# Allegro board RUBUS_20173009.brd (continued)
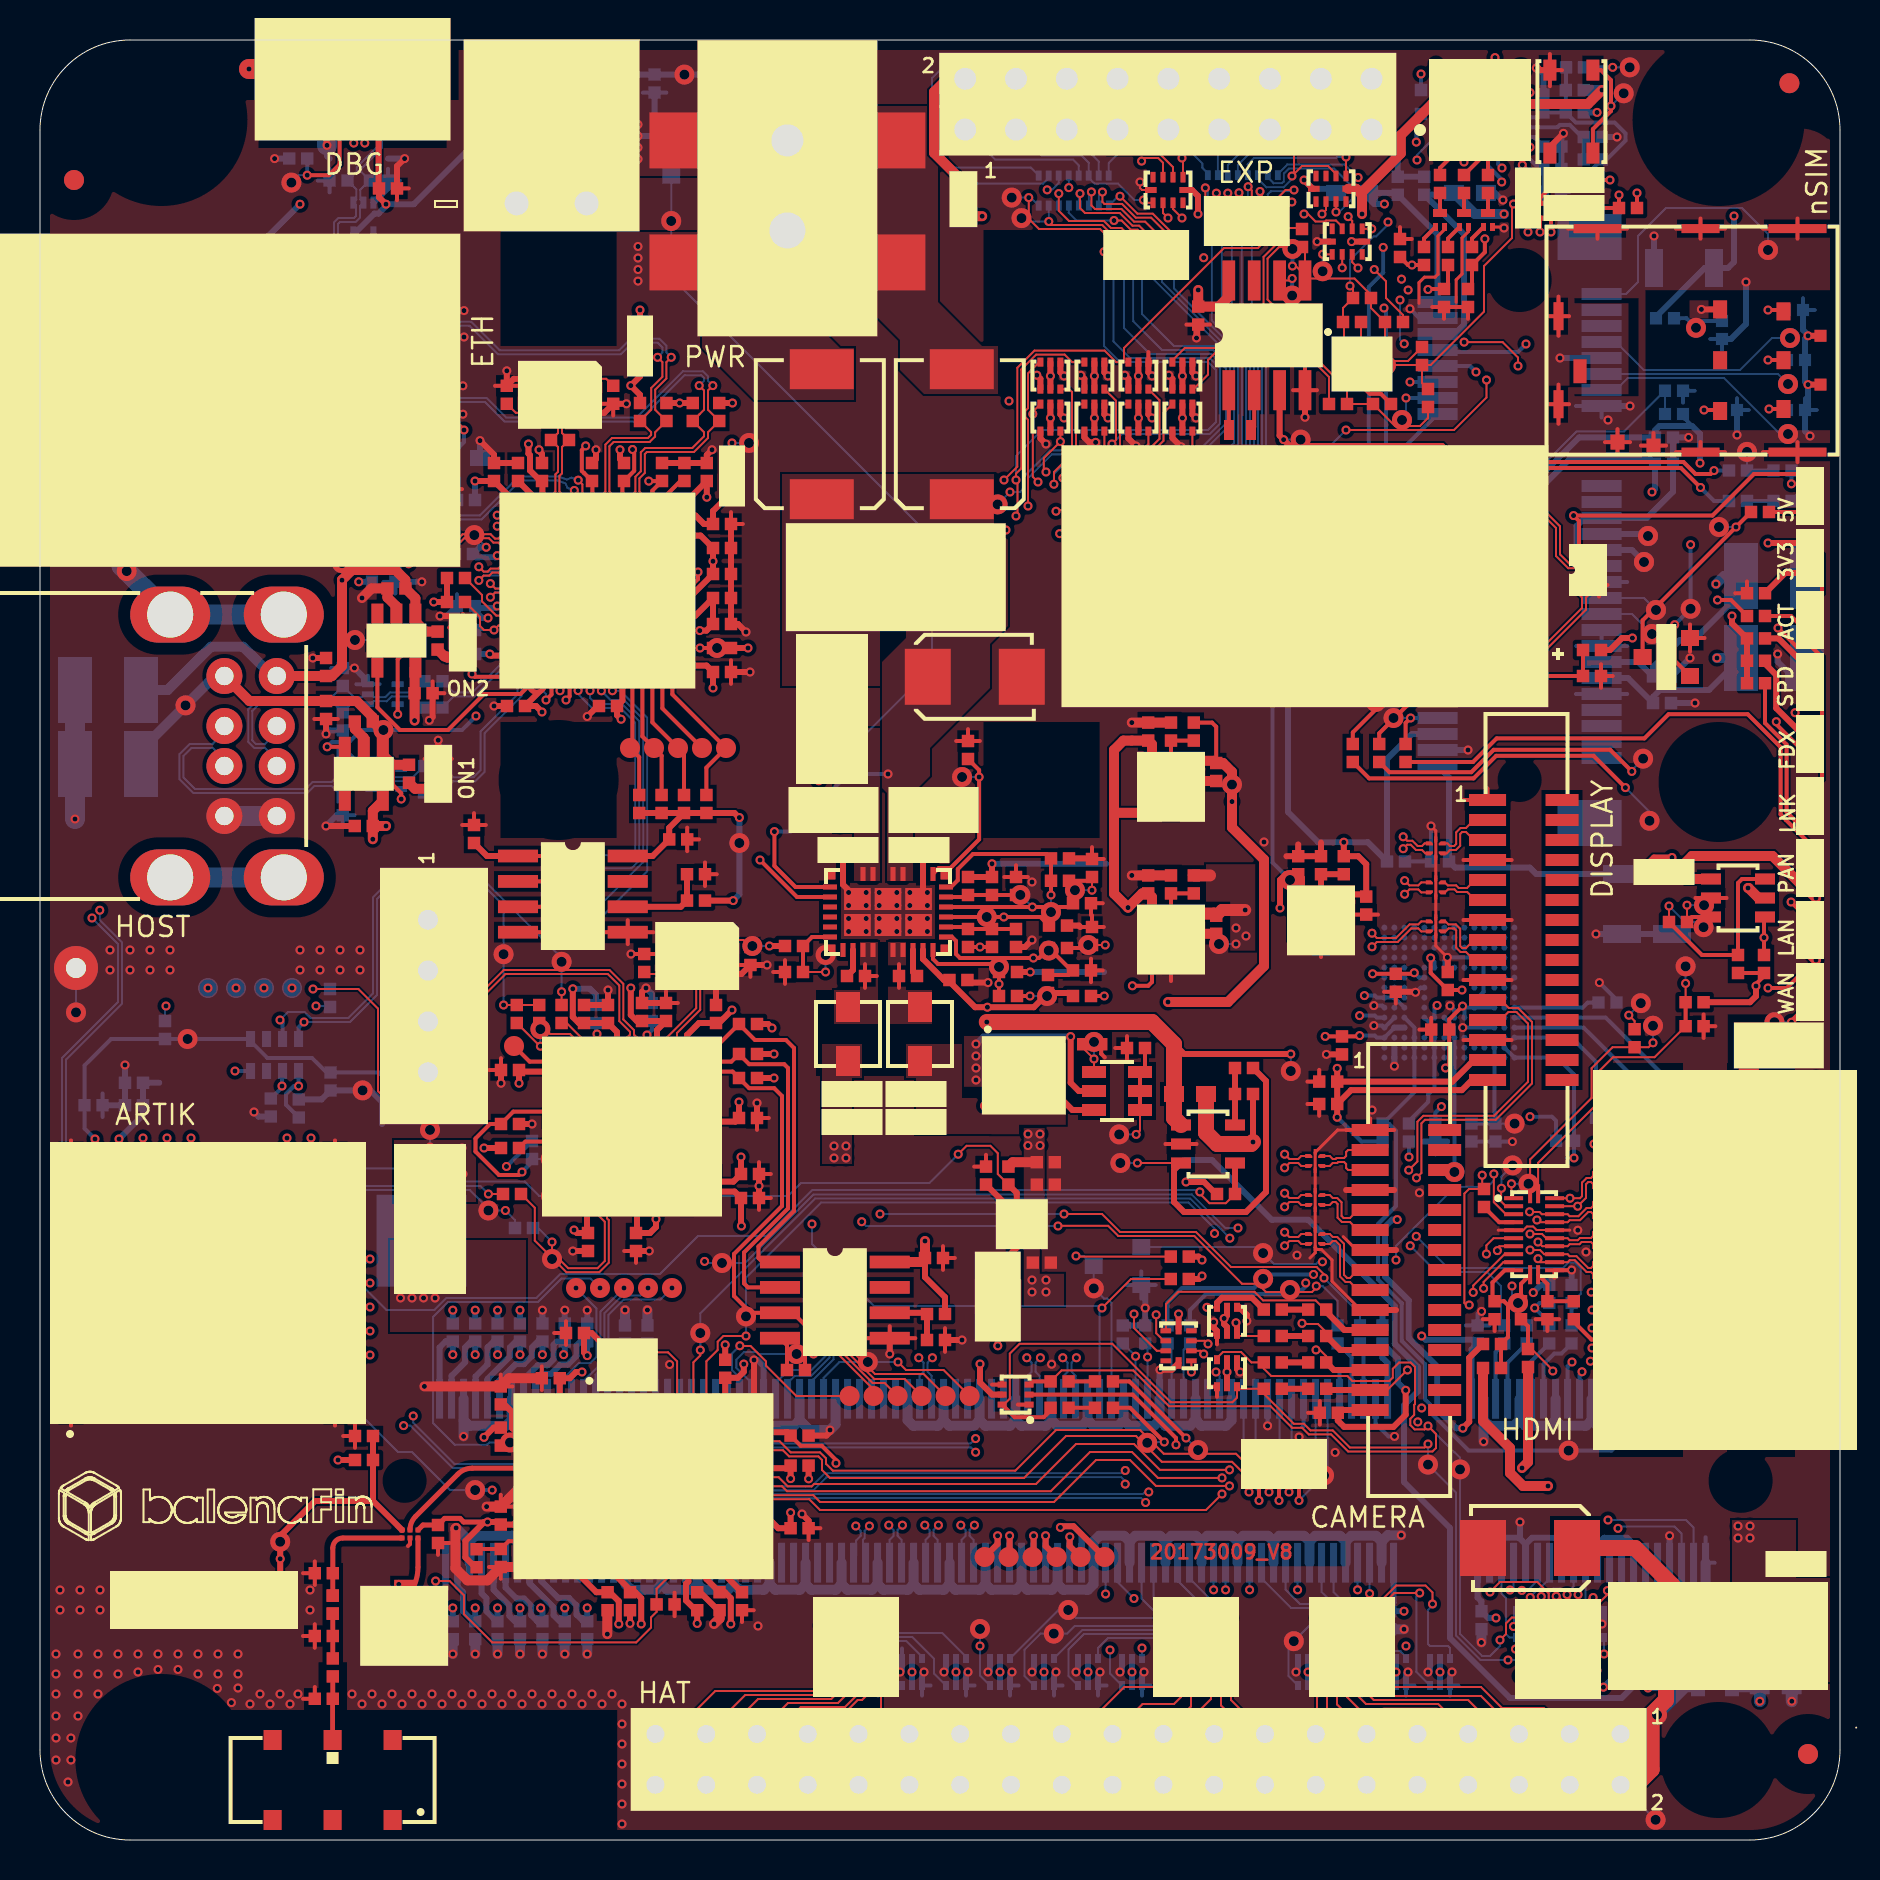
[diagram p0: board, top side]
## Placement (name value [footprint] x y rotation side) (continued)
NOREF#1002  -  []  64.48 79.02 0 top
NOREF#1003  -  []  47.66 37.26 90 top
NOREF#1004  -  []  57.55 82.35 90 top
NOREF#1005  -  []  83.55 48.05 0 top
NOREF#1006  -  []  67.15 7.5 90 top
NOREF#1007  -  []  58.59 80.2 90 top
NOREF#1008  -  []  18.73 70.08 90 top
NOREF#1009  -  []  22.97 57.57 90 top
NOREF#1010  -  []  11.94 54.16 0 top
NOREF#1011  -  []  58.24 81.49 0 top
NOREF#1012  -  []  64.27 37.61 90 top
NOREF#1013  -  []  63.69 34.5 0 top
NOREF#1014  -  []  25.93 53 90 top
NOREF#1015  -  []  52.91 47.84 90 top
NOREF#1016  -  []  87.5 61.55 90 top
NOREF#1017  -  []  50.37 36.33 90 top
NOREF#1018  -  []  63.67 81.66 0 top
NOREF#1019  -  []  52.47 39.48 90 top
NOREF#1020  -  []  72.4 82.35 90 top
NOREF#1021  -  []  25.43 25.52 90 top
NOREF#1022  -  []  13.9 89.21 0 top
NOREF#1023  -  []  63.41 22.56 0 top
NOREF#1024  -  []  78.05 9.9 90 top
NOREF#1025  -  []  77.88 80.57 0 top
NOREF#1026  -  []  72.95 80.65 90 top
NOREF#1027  -  []  84.54 71.81 0 top
NOREF#1028  -  []  43 35.9 0 top
NOREF#1029  -  []  25.93 77.6 90 top
NOREF#1030  -  []  11.35 88.26 0 top
NOREF#1031  -  []  18.14 54.07 0 top
NOREF#1032  -  []  32.35 46.97 0 top
NOREF#1033  -  []  46.4 47.25 90 top
NOREF#1034  -  []  78 82.6 90 top
NOREF#1035  -  []  70.89 83.56 0 top
NOREF#1036  -  []  64 7.4 90 top
NOREF#1037  -  []  64.45 71.8 0 top
NOREF#1038  -  []  37.22 19.03 0 top
NOREF#1039  -  []  30.99 41.26 0 top
NOREF#1040  -  []  11.54 36.17 90 top
NOREF#1041  -  []  79.01 35.81 90 top
NOREF#1042  -  []  55.3 45.9 0 top
NOREF#1043  -  []  21.45 26.14 0 top
NOREF#1044  -  []  34.1 40.17 90 top
NOREF#1045  -  []  65.19 25.42 90 top
NOREF#1046  -  []  72.15 24.8 0 top
NOREF#1047  -  []  42.7 7.9 90 top
NOREF#1048  -  []  55.52 82.12 90 top
NOREF#1049  -  []  0.9 59.15 0 top
NOREF#1050  -  []  47.37 81.54 90 top
NOREF#1051  -  []  58.7 23.79 90 top
NOREF#1052  -  []  43.6 47.27 90 top
NOREF#1053  -  []  54.42 72.55 90 top
NOREF#1054  -  []  85.35 57.84 0 top
NOREF#1055  -  []  74.66 62.91 0 top
NOREF#1056  -  []  63.96 37.92 0 top
NOREF#1057  -  []  85.04 59.27 0 top
NOREF#1058  -  []  1.75 57.5 0 top
NOREF#1059  -  []  56.86 47.02 90 top
NOREF#1060  -  []  54.6 7.72 0 top
NOREF#1061  -  []  56.77 33.35 90 top
NOREF#1062  -  []  72.46 36.13 0 top
NOREF#1063  -  []  13.08 64.67 90 top
NOREF#1064  -  []  51.85 40.1 0 top
NOREF#1065  -  []  59.95 7.15 90 top
NOREF#1066  -  []  87 13.8 0 top
NOREF#1067  -  []  34.57 22.8 90 top
NOREF#1068  -  []  80.49 76.4 0 top
NOREF#1069  -  []  61.19 23.88 0 top
NOREF#1070  -  []  89.65 66.8 90 top
NOREF#1071  -  []  60.05 20.05 0 top
NOREF#1072  -  []  72.09 83.56 0 top
NOREF#1073  -  []  80.61 37.34 90 top
NOREF#1074  -  []  30.2 54.6 0 top
NOREF#1075  -  []  82.06 25.42 90 top
NOREF#1076  -  []  86.56 60.89 90 top
NOREF#1077  -  []  37 25.09 0 top
NOREF#1078  -  []  82.87 42.2 0 top
NOREF#1079  -  []  32.64 70.95 90 top
NOREF#1080  -  []  81.96 69.82 90 top
NOREF#1081  -  []  42.3 38.6 90 top
NOREF#1082  -  []  14.33 13.65 0 top
NOREF#1083  -  []  83.93 4 90 top
NOREF#1084  -  []  34.24 59.91 0 top
NOREF#1085  -  []  7.12 66.28 90 top
NOREF#1086  -  []  7.55 22.2 0 top
NOREF#1087  -  []  80.05 21.12 90 top
NOREF#1088  -  []  44.35 26.3 0 top
NOREF#1089  -  []  16.73 86.8 0 top
NOREF#1090  -  []  32.87 94.48 0 top
NOREF#1091  -  []  20.21 15.44 90 top
NOREF#1092  -  []  77.65 62.6 0 top
NOREF#1093  -  []  55.65 83.14 0 top
NOREF#1094  -  []  35.26 38.99 90 top
NOREF#1095  -  []  65.64 53.9 90 top
NOREF#1096  -  []  39.05 10.15 90 top
NOREF#1097  -  []  34.86 61.79 90 top
NOREF#1098  -  []  82.87 41 0 top
NOREF#1099  -  []  2.13 63.94 90 top
NOREF#1100  -  []  53.41 79.75 90 top
NOREF#1101  -  []  69.09 71.96 0 top
NOREF#1102  -  []  73.8 10.12 90 top
NOREF#1103  -  []  85.35 58.96 0 top
NOREF#1104  -  []  21.76 24.93 90 top
NOREF#1105  -  []  34.64 36.41 0 top
NOREF#1106  -  []  71.09 77.86 0 top
NOREF#1107  -  []  87.35 48.2 0 top
NOREF#1108  -  []  42.7 10.4 90 top
NOREF#1109  -  []  38.9 8.9 90 top
NOREF#1110  -  []  44.78 22.2 0 top
NOREF#1111  -  []  18.08 62.6 90 top
NOREF#1112  -  []  53.16 80.5 0 top
NOREF#1113  -  []  68.45 34.92 90 top
NOREF#1114  -  []  76.11 34.65 90 top
NOREF#1115  -  []  22.88 24.93 90 top
NOREF#1116  -  []  23.19 10.63 90 top
NOREF#1117  -  []  13.63 86.8 90 top
NOREF#1118  -  []  82.35 12.05 90 top
NOREF#1119  -  []  89.03 72.77 90 top
NOREF#1120  -  []  51.66 44.29 90 top
NOREF#1121  -  []  77.25 64.09 90 top
NOREF#1122  -  []  62.29 83.74 0 top
NOREF#1123  -  []  88.15 61.4 0 top
NOREF#1124  -  []  66.65 54.21 0 top
NOREF#1125  -  []  38.3 39.7 0 top
NOREF#1126  -  []  75.42 82.84 0 top
NOREF#1127  -  []  71.57 34.92 90 top
NOREF#1128  -  []  52.07 71.57 90 top
NOREF#1129  -  []  87.35 54.4 0 top
NOREF#1130  -  []  64 9.9 90 top
NOREF#1131  -  []  42.4 7.4 0 top
NOREF#1132  -  []  32.87 89.98 0 top
NOREF#1133  -  []  37.32 24.09 90 top
NOREF#1134  -  []  30.77 51.66 0 top
NOREF#1135  -  []  78.05 12.05 0 top
NOREF#1136  -  []  14.95 11.01 90 top
NOREF#1137  -  []  60.96 36.99 90 top
NOREF#1138  -  []  40.6 53 90 top
NOREF#1139  -  []  34.29 12.08 90 top
NOREF#1140  -  []  69.88 76.9 0 top
NOREF#1141  -  []  20.33 82 90 top
NOREF#1142  -  []  50.45 44.6 0 top
NOREF#1143  -  []  56.05 7.65 0 top
NOREF#1144  -  []  55.41 47.33 90 top
NOREF#1145  -  []  57.13 29.48 0 top
NOREF#1146  -  []  81.96 68.5 90 top
NOREF#1147  -  []  49.79 81.47 0 top
NOREF#1148  -  []  14.3 56.05 90 top
NOREF#1149  -  []  84.36 61.12 90 top
NOREF#1150  -  []  47.87 36.88 90 top
NOREF#1151  -  []  88.15 64.5 0 top
NOREF#1152  -  []  87.84 76.81 0 top
NOREF#1153  -  []  14.64 8.18 90 top
NOREF#1154  -  []  76.27 27.16 0 top
NOREF#1155  -  []  51.04 44.91 0 top
NOREF#1156  -  []  23.05 35.8 0 top
NOREF#1157  -  []  70 7.72 0 top
NOREF#1158  -  []  31.76 45 0 top
NOREF#1159  -  []  57.38 56.18 0 top
NOREF#1160  -  []  18.19 56.64 90 top
NOREF#1161  -  []  69.88 76.9 90 top
NOREF#1162  -  []  26.24 24.93 90 top
NOREF#1163  -  []  16.91 63.5 90 top
NOREF#1164  -  []  81.34 70.44 0 top
NOREF#1165  -  []  80.96 57.86 90 top
NOREF#1166  -  []  71.58 22.06 0 top
NOREF#1167  -  []  63.41 23.88 0 top
NOREF#1168  -  []  24.96 40.85 90 top
NOREF#1169  -  []  37.53 15.59 0 top
NOREF#1170  -  []  85.44 39.73 0 top
NOREF#1171  -  []  84.97 12.11 0 top
NOREF#1172  -  []  63.56 31.75 0 top
NOREF#1173  -  []  22.06 66.69 90 top
NOREF#1174  -  []  20.04 63.41 0 top
NOREF#1175  -  []  45.56 25.99 90 top
NOREF#1176  -  []  52.6 48.15 90 top
NOREF#1177  -  []  12.9 19.95 0 top
NOREF#1178  -  []  84.36 66.47 90 top
NOREF#1179  -  []  45.46 28.79 90 top
NOREF#1180  -  []  59.7 10.4 90 top
NOREF#1181  -  []  52.22 72.55 90 top
NOREF#1182  -  []  15.24 51.96 0 top
NOREF#1183  -  []  62.8 46.85 0 top
NOREF#1184  -  []  69.77 34.92 90 top
NOREF#1185  -  []  80.3 61.5 0 top
NOREF#1186  -  []  34.26 23.11 90 top
NOREF#1187  -  []  73.9 83.3 0 top
NOREF#1188  -  []  13.74 13.34 0 top
NOREF#1189  -  []  27.64 57.01 0 top
NOREF#1190  -  []  76.36 82.09 90 top
NOREF#1191  -  []  50.24 49.39 0 top
NOREF#1192  -  []  76.02 88.05 90 top
NOREF#1193  -  []  16.87 58.62 0 top
NOREF#1194  -  []  72.05 12.15 90 top
NOREF#1195  -  []  57.62 70.44 90 top
NOREF#1196  -  []  52.73 14.15 0 top
NOREF#1197  -  []  29.5 11.49 90 top
NOREF#1198  -  []  89.65 51.3 90 top
NOREF#1199  -  []  65.74 76.21 0 top
NOREF#1200  -  []  49.13 14.15 0 top
NOREF#1201  -  []  37 27.63 90 top
NOREF#1202  -  []  87.5 57.45 90 top
NOREF#1203  -  []  85.94 61.51 0 top
NOREF#1204  -  []  29.7 24.89 0 top
NOREF#1205  -  []  31.14 11.47 90 top
NOREF#1206  -  []  21.44 62.01 0 top
NOREF#1207  -  []  17.71 8.41 90 top
NOREF#1208  -  []  55.1 48.54 0 top
NOREF#1209  -  []  39.1 49.9 0 top
NOREF#1210  -  []  87.94 74.31 0 top
NOREF#1211  -  []  30.21 43.4 90 top
NOREF#1212  -  []  11.64 65.1 90 top
NOREF#1213  -  []  60.3 70 0 top
NOREF#1214  -  []  82.43 10.85 0 top
NOREF#1215  -  []  47.29 48.46 0 top
NOREF#1216  -  []  63.69 32.55 0 top
NOREF#1217  -  []  84.36 61.12 90 top
NOREF#1218  -  []  15 65.22 90 top
NOREF#1219  -  []  77.19 84.03 0 top
NOREF#1220  -  []  50.95 37.73 90 top
NOREF#1221  -  []  83.16 14.86 90 top
NOREF#1222  -  []  14.17 83.28 0 top
NOREF#1223  -  []  29.56 25.42 90 top
NOREF#1224  -  []  88.1 14.2 0 top
NOREF#1225  -  []  47.44 27.72 90 top
NOREF#1226  -  []  37.84 19.91 90 top
NOREF#1227  -  []  86.05 21.12 90 top
NOREF#1228  -  []  19.94 57.03 90 top
NOREF#1229  -  []  29.8 29.45 90 top
NOREF#1230  -  []  27.05 26.14 0 top
NOREF#1231  -  []  48.49 45.86 0 top
NOREF#1232  -  []  23.63 64.77 90 top
NOREF#1233  -  []  27.2 40.85 90 top
NOREF#1234  -  []  55.06 27.75 90 top
NOREF#1235  -  []  70.51 77.24 90 top
NOREF#1236  -  []  33.42 59.89 0 top
NOREF#1237  -  []  36.26 31.79 90 top
NOREF#1238  -  []  51.96 41.89 90 top
NOREF#1239  -  []  51.75 7.5 90 top
NOREF#1240  -  []  24 24.93 90 top
NOREF#1241  -  []  74.36 26.63 90 top
NOREF#1242  -  []  33.32 51.35 90 top
NOREF#1243  -  []  82.08 76.02 0 top
NOREF#1244  -  []  2.65 71.25 0 top
NOREF#1245  -  []  65.22 44.43 90 top
NOREF#1246  -  []  61.52 72.42 90 top
NOREF#1247  -  []  12.19 48.13 90 top
NOREF#1248  -  []  75.07 84.39 0 top
NOREF#1249  -  []  72.2 31.65 90 top
NOREF#1250  -  []  84.45 68.47 0 top
NOREF#1251  -  []  33.49 41.16 0 top
NOREF#1252  -  []  27.7 86.59 0 top
NOREF#1253  -  []  38.65 12.15 0 top
NOREF#1254  -  []  30.52 12.09 0 top
NOREF#1255  -  []  81.56 72.15 90 top
NOREF#1256  -  []  67.25 75.9 0 top
NOREF#1257  -  []  35.21 44.06 0 top
NOREF#1258  -  []  23.34 71.81 90 top
NOREF#1259  -  []  81.5 48.8 0 top
NOREF#1260  -  []  20.35 63.1 0 top
NOREF#1261  -  []  71.2 82.35 90 top
NOREF#1262  -  []  59.2 70 90 top
NOREF#1263  -  []  15.24 51.96 90 top
NOREF#1264  -  []  83.28 13.86 0 top
NOREF#1265  -  []  48.8 47.25 90 top
NOREF#1266  -  []  58.22 75.46 90 top
NOREF#1267  -  []  13.05 84.38 0 top
NOREF#1268  -  []  67.27 53.59 90 top
NOREF#1269  -  []  58.7 25.51 0 top
NOREF#1270  -  []  74.86 87.59 0 top
NOREF#1271  -  []  73.08 35.51 90 top
NOREF#1272  -  []  67.75 12.15 0 top
NOREF#1273  -  []  40.9 37.7 0 top
NOREF#1274  -  []  1.75 53.8 0 top
NOREF#1275  -  []  55.17 81.53 0 top
NOREF#1276  -  []  11.84 51.2 90 top
NOREF#1277  -  []  53.56 78.5 90 top
NOREF#1278  -  []  68.56 48.62 90 top
NOREF#1279  -  []  55.6 43.72 0 top
NOREF#1280  -  []  76.27 26.04 0 top
NOREF#1281  -  []  75.37 26.04 90 top
NOREF#1282  -  []  69.45 81.1 90 top
NOREF#1283  -  []  64.21 29.9 90 top
NOREF#1284  -  []  33.65 65.8 0 top
NOREF#1285  -  []  53.95 9.3 0 top
NOREF#1286  -  []  15.67 81.87 0 top
NOREF#1287  -  []  70.15 40.83 0 top
NOREF#1288  -  []  63.1 25.51 0 top
NOREF#1289  -  []  4.5 0 90 top
NOREF#1290  -  []  25.19 22.43 0 top
NOREF#1291  -  []  31.4 54.6 0 top
NOREF#1292  -  []  51.14 48.27 0 top
NOREF#1293  -  []  85.94 62.65 0 top
NOREF#1294  -  []  23.04 13.65 90 top
NOREF#1295  -  []  63.69 31.45 90 top
NOREF#1296  -  []  33.42 59.89 90 top
NOREF#1297  -  []  19.9 14.85 90 top
NOREF#1298  -  []  69.59 45.43 0 top
NOREF#1299  -  []  83.79 76.26 0 top
NOREF#1300  -  []  4.56 36.43 90 top
NOREF#1301  -  []  66 46.58 0 top
NOREF#1302  -  []  74.07 85.32 0 top
NOREF#1303  -  []  74.65 25.42 90 top
NOREF#1304  -  []  79.07 61.12 90 top
NOREF#1305  -  []  67.43 25.42 90 top
NOREF#1306  -  []  63.74 48.6 0 top
NOREF#1307  -  []  60.45 18.05 90 top
NOREF#1308  -  []  72.73 26.04 90 top
NOREF#1309  -  []  59.85 22.66 90 top
NOREF#1310  -  []  87.35 51.3 0 top
NOREF#1311  -  []  26.4 72.48 90 top
NOREF#1312  -  []  42.4 46.4 0 top
NOREF#1313  -  []  42.95 9.65 90 top
NOREF#1314  -  []  50.09 81.97 90 top
NOREF#1315  -  []  26.65 32.72 0 top
NOREF#1316  -  []  39.3 36.9 90 top
NOREF#1317  -  []  89.65 63.7 90 top
NOREF#1318  -  []  4.39 12 0 top
NOREF#1319  -  []  54.14 24.83 90 top
NOREF#1320  -  []  80.34 58.48 0 top
NOREF#1321  -  []  30.37 24.83 90 top
NOREF#1322  -  []  89.65 42 90 top
NOREF#1323  -  []  6.51 48.13 90 top
NOREF#1324  -  []  32.53 68.54 90 top
NOREF#1325  -  []  55.78 24.56 0 top
NOREF#1326  -  []  68.28 53.9 90 top
NOREF#1327  -  []  87 75.1 0 top
NOREF#1328  -  []  22.07 25.52 90 top
NOREF#1329  -  []  57.46 78 90 top
NOREF#1330  -  []  63.8 83.2 0 top
NOREF#1331  -  []  40.7 49.1 90 top
NOREF#1332  -  []  3.94 37.05 0 top
NOREF#1333  -  []  56.05 7.65 0 top
NOREF#1334  -  []  23.05 38.5 0 top
NOREF#1335  -  []  63.33 81.58 0 top
NOREF#1336  -  []  70.61 17.1 0 top
NOREF#1337  -  []  57.27 81.59 90 top
NOREF#1338  -  []  87.09 8.09 0 top
NOREF#1339  -  []  68 79.15 90 top
NOREF#1340  -  []  63.41 25.2 0 top
NOREF#1341  -  []  27.36 24.93 90 top
NOREF#1342  -  []  58.54 81.99 90 top
NOREF#1343  -  []  64.21 33.8 90 top
NOREF#1344  -  []  48.13 37.03 90 top
NOREF#1345  -  []  63.76 33.65 90 top
NOREF#1346  -  []  35.41 12.08 90 top
NOREF#1347  -  []  37.35 23.5 0 top
NOREF#1348  -  []  86.9 72.8 0 top
NOREF#1349  -  []  50.09 42.66 0 top
NOREF#1350  -  []  16.27 53.4 0 top
NOREF#1351  -  []  22.57 11.25 0 top
NOREF#1352  -  []  4.25 36.74 0 top
NOREF#1353  -  []  26.3 27.6 0 top
NOREF#1354  -  []  20.64 24.93 90 top
NOREF#1355  -  []  69.72 50.13 0 top
NOREF#1356  -  []  45.67 82.54 0 top
NOREF#1357  -  []  72.91 26.04 0 top
NOREF#1358  -  []  56.05 7.65 90 top
NOREF#1359  -  []  24.87 14.09 90 top
NOREF#1360  -  []  76.4 73.11 90 top
NOREF#1361  -  []  73.18 61.12 0 top
NOREF#1362  -  []  56.38 24.83 90 top
NOREF#1363  -  []  58.14 81.22 90 top
NOREF#1364  -  []  56.24 47.64 0 top
NOREF#1365  -  []  87.99 40.68 0 top
NOREF#1366  -  []  10.7 42.6 0 top
NOREF#1367  -  []  57.6 76.08 0 top
NOREF#1368  -  []  32.86 11.49 90 top
NOREF#1369  -  []  22.84 32.61 0 top
NOREF#1370  -  []  3.55 72.35 90 top
NOREF#1371  -  []  36.67 22.34 90 top
NOREF#1372  -  []  27.84 22.43 90 top
NOREF#1373  -  []  74.34 24.83 90 top
NOREF#1374  -  []  20.33 26.14 0 top
NOREF#1375  -  []  47.44 26.62 0 top
NOREF#1376  -  []  70.26 85.99 90 top
NOREF#1377  -  []  50.37 37.08 90 top
NOREF#1378  -  []  23.58 45.66 0 top
NOREF#1379  -  []  41.73 61.23 0 top
NOREF#1380  -  []  78.05 14.55 0 top
NOREF#1381  -  []  43.15 49.5 0 top
NOREF#1382  -  []  20.33 11.25 0 top
NOREF#1383  -  []  16.83 27.66 0 top
NOREF#1384  -  []  50.86 48.77 90 top
NOREF#1385  -  []  67.75 12.15 0 top
NOREF#1386  -  []  85.66 58.65 90 top
NOREF#1387  -  []  73.68 29.69 90 top
NOREF#1388  -  []  59.95 9.65 90 top
NOREF#1389  -  []  74.03 26.04 0 top
NOREF#1390  -  []  54.85 46.77 0 top
NOREF#1391  -  []  39.6 54.3 90 top
NOREF#1392  -  []  80.75 70.13 0 top
NOREF#1393  -  []  51.02 70.44 90 top
NOREF#1394  -  []  17.71 9.46 90 top
NOREF#1395  -  []  32.55 32.72 90 top
NOREF#1396  -  []  56.55 47.33 90 top
NOREF#1397  -  []  84.2 64.85 0 top
NOREF#1398  -  []  44.04 25.31 0 top
NOREF#1399  -  []  46.4 44.65 90 top
NOREF#1400  -  []  53.96 21.3 90 top
NOREF#1401  -  []  32.87 94.48 0 top
NOREF#1402  -  []  30.52 43.99 90 top
NOREF#1403  -  []  54.92 73.89 0 top
NOREF#1404  -  []  -4 105.34 0 top
NOREF#1405  -  []  84.36 61.12 90 top
NOREF#1406  -  []  30.31 71.54 90 top
NOREF#1407  -  []  82.46 70.99 90 top
NOREF#1408  -  []  46.09 45.86 0 top
NOREF#1409  -  []  43.95 7.95 0 top
NOREF#1410  -  []  22.73 20.03 0 top
NOREF#1411  -  []  31.08 51.35 90 top
NOREF#1412  -  []  12.46 84.07 0 top
NOREF#1413  -  []  69.59 49.33 0 top
NOREF#1414  -  []  58.08 24.56 90 top
NOREF#1415  -  []  66.85 9.15 0 top
NOREF#1416  -  []  80.75 68.81 0 top
NOREF#1417  -  []  27.4 29.45 90 top
NOREF#1418  -  []  30.4 20.8 90 top
NOREF#1419  -  []  46.71 45.24 90 top
NOREF#1420  -  []  33.95 23.42 0 top
NOREF#1421  -  []  69.41 73.44 90 top
NOREF#1422  -  []  11.95 64.79 90 top
NOREF#1423  -  []  61.52 72.42 0 top
NOREF#1424  -  []  59.7 7.9 90 top
NOREF#1425  -  []  16.79 65.7 0 top
NOREF#1426  -  []  62.75 7.5 90 top
NOREF#1427  -  []  47.66 37.26 90 top
NOREF#1428  -  []  55.6 51.36 0 top
NOREF#1429  -  []  55.52 81.59 0 top
NOREF#1430  -  []  14.61 55.74 90 top
NOREF#1431  -  []  6.56 40.64 90 top
NOREF#1432  -  []  41.56 42.89 90 top
NOREF#1433  -  []  64.21 29.7 90 top
NOREF#1434  -  []  73.15 85.83 90 top
NOREF#1435  -  []  57.19 26.04 0 top
NOREF#1436  -  []  31.3 40.95 90 top
NOREF#1437  -  []  21.85 59.89 90 top
NOREF#1438  -  []  63.76 29.75 90 top
NOREF#1439  -  []  28.09 41.16 0 top
NOREF#1440  -  []  22.4 48.61 0 top
NOREF#1441  -  []  22.73 16.08 0 top
NOREF#1442  -  []  48.49 47.56 0 top
NOREF#1443  -  []  69.59 47.38 0 top
NOREF#1444  -  []  87.35 45.1 0 top
NOREF#1445  -  []  60.48 65.3 0 top
NOREF#1446  -  []  24.29 34.36 0 top
NOREF#1447  -  []  58.54 81.99 90 top
NOREF#1448  -  []  69.51 79.34 90 top
NOREF#1449  -  []  63.8 17.8 0 top
NOREF#1450  -  []  73.98 53 90 top
NOREF#1451  -  []  63.22 48.88 90 top
NOREF#1452  -  []  81.62 10.54 90 top
NOREF#1453  -  []  80.13 59.15 0 top
NOREF#1454  -  []  84.41 75.64 90 top
NOREF#1455  -  []  26.08 40.85 90 top
NOREF#1456  -  []  25.12 10.04 90 top
NOREF#1457  -  []  56.62 72.55 0 top
NOREF#1458  -  []  57.47 74.12 0 top
NOREF#1459  -  []  54.85 54.41 0 top
NOREF#1460  -  []  26.97 17.89 90 top
NOREF#1461  -  []  71.75 80.65 90 top
NOREF#1462  -  []  82.35 12.05 90 top
NOREF#1463  -  []  82.28 40.69 0 top
NOREF#1464  -  []  35.54 41.11 0 top
NOREF#1465  -  []  60.96 38.29 90 top
NOREF#1466  -  []  58.85 22.66 0 top
NOREF#1467  -  []  27.67 25.52 90 top
NOREF#1468  -  []  78.39 36.43 0 top
NOREF#1469  -  []  71.1 85.03 0 top
NOREF#1470  -  []  63.1 24.19 0 top
NOREF#1471  -  []  69.64 87.81 0 top
NOREF#1472  -  []  59.4 7.4 0 top
NOREF#1473  -  []  56.62 70.44 0 top
NOREF#1474  -  []  59.7 10.4 90 top
NOREF#1475  -  []  22.97 67.37 0 top
NOREF#1476  -  []  48.73 33.36 90 top
NOREF#1477  -  []  23.35 19.41 90 top
NOREF#1478  -  []  63.31 33.6 0 top
NOREF#1479  -  []  33.65 62.1 0 top
NOREF#1480  -  []  22.29 59.47 90 top
NOREF#1481  -  []  31.61 40.64 90 top
NOREF#1482  -  []  47.09 71.94 90 top
NOREF#1483  -  []  14.3 58.2 90 top
NOREF#1484  -  []  3.44 36.43 90 top
NOREF#1485  -  []  69.24 49.24 0 top
NOREF#1486  -  []  18.08 1.5 90 top
NOREF#1487  -  []  49.55 7.5 90 top
NOREF#1488  -  []  77.5 86.07 90 top
NOREF#1489  -  []  56.05 24.34 90 top
NOREF#1490  -  []  27.09 29.76 0 top
NOREF#1491  -  []  35.26 37.79 90 top
NOREF#1492  -  []  72.93 70.11 0 top
NOREF#1493  -  []  20.85 61.7 0 top
NOREF#1494  -  []  81.25 72.46 0 top
NOREF#1495  -  []  42.95 43.2 0 top
NOREF#1496  -  []  74.09 24.86 0 top
NOREF#1497  -  []  82.83 8.29 0 top
NOREF#1498  -  []  57.5 24.83 90 top
NOREF#1499  -  []  19.58 53.18 90 top
NOREF#1500  -  []  64.3 21.05 90 top
NOREF#1501  -  []  83.49 41.58 90 top
NOREF#1502  -  []  51.65 42.2 0 top
NOREF#1503  -  []  84.47 10.62 0 top
NOREF#1504  -  []  73.15 87.17 90 top
NOREF#1505  -  []  15.45 55.17 90 top
NOREF#1506  -  []  54.7 37.8 0 top
NOREF#1507  -  []  72.71 82.94 90 top
NOREF#1508  -  []  20.64 10.04 90 top
NOREF#1509  -  []  23.04 15.77 90 top
NOREF#1510  -  []  71.89 31.96 0 top
NOREF#1511  -  []  85.85 10.62 90 top
NOREF#1512  -  []  85.04 68.78 0 top
NOREF#1513  -  []  66.85 9.15 0 top
NOREF#1514  -  []  71.91 86.64 0 top
NOREF#1515  -  []  34.24 61.11 0 top
NOREF#1516  -  []  37.22 20.53 0 top
NOREF#1517  -  []  25.1 49.17 0 top
NOREF#1518  -  []  23.22 60.58 90 top
NOREF#1519  -  []  30.41 40.64 90 top
NOREF#1520  -  []  72.73 61.12 90 top
NOREF#1521  -  []  82.35 9.55 90 top
NOREF#1522  -  []  75.48 83.24 90 top
NOREF#1523  -  []  84.9 43.35 90 top
NOREF#1524  -  []  64.61 80.56 0 top
NOREF#1525  -  []  77.95 62.75 90 top
NOREF#1526  -  []  16.67 80.38 90 top
NOREF#1527  -  []  48 7.72 0 top
NOREF#1528  -  []  68.31 78.84 90 top
NOREF#1529  -  []  50.87 72.02 0 top
NOREF#1530  -  []  50.76 45.41 90 top
NOREF#1531  -  []  38.17 51.5 0 top
NOREF#1532  -  []  17.54 82.89 0 top
NOREF#1533  -  []  21.39 50.16 0 top
NOREF#1534  -  []  19.53 57.63 90 top
NOREF#1535  -  []  25.3 37.27 90 top
NOREF#1536  -  []  34.95 39.3 0 top
NOREF#1537  -  []  74.4 23.65 90 top
NOREF#1538  -  []  60.88 25.51 0 top
NOREF#1539  -  []  54.27 72.77 0 top
NOREF#1540  -  []  84.95 7.19 90 top
NOREF#1541  -  []  78.08 59.7 90 top
NOREF#1542  -  []  62.35 47.73 0 top
NOREF#1543  -  []  50.55 7.95 0 top
NOREF#1544  -  []  87.94 71.81 0 top
NOREF#1545  -  []  58.81 45.31 90 top
NOREF#1546  -  []  34.64 39.61 0 top
NOREF#1547  -  []  9.43 0.8 0 top
NOREF#1548  -  []  35.64 32.41 0 top
NOREF#1549  -  []  62.24 80.45 90 top
NOREF#1550  -  []  27.91 67.64 90 top
NOREF#1551  -  []  47.35 9.3 0 top
NOREF#1552  -  []  32.87 89.98 90 top
NOREF#1553  -  []  53.22 70.44 90 top
NOREF#1554  -  []  67.89 82.27 90 top
NOREF#1555  -  []  10.93 82.5 0 top
NOREF#1556  -  []  72.17 80.65 0 top
NOREF#1557  -  []  37.53 20.22 0 top
NOREF#1558  -  []  72.81 29.74 90 top
NOREF#1559  -  []  86.51 43.04 90 top
NOREF#1560  -  []  46.62 50.55 90 top
NOREF#1561  -  []  52.99 32.04 90 top
NOREF#1562  -  []  19.56 53.71 0 top
NOREF#1563  -  []  23.9 67.95 90 top
NOREF#1564  -  []  43.26 42.89 90 top
NOREF#1565  -  []  81.53 43.95 90 top
NOREF#1566  -  []  21.7 49.85 90 top
NOREF#1567  -  []  38.9 11.4 90 top
NOREF#1568  -  []  23.35 15.46 90 top
NOREF#1569  -  []  2.88 66.2 90 top
NOREF#1570  -  []  25.43 10.63 90 top
NOREF#1571  -  []  19.22 57.94 0 top
NOREF#1572  -  []  34.79 12.7 0 top
NOREF#1573  -  []  53 37.8 90 top
NOREF#1574  -  []  85.05 59.1 0 top
NOREF#1575  -  []  64.48 79.55 90 top
NOREF#1576  -  []  81.93 10.23 90 top
NOREF#1577  -  []  56.69 25.42 90 top
NOREF#1578  -  []  59.75 38.6 0 top
NOREF#1579  -  []  87.35 42 0 top
NOREF#1580  -  []  52.16 39.79 0 top
NOREF#1581  -  []  41.9 7.72 90 top
NOREF#1582  -  []  16.3 36.6 0 top
NOREF#1583  -  []  47.6 47.25 90 top
NOREF#1584  -  []  86.25 46.15 90 top
NOREF#1585  -  []  31.91 69.16 0 top
NOREF#1586  -  []  69.79 45.38 90 top
NOREF#1587  -  []  55.27 72.02 0 top
NOREF#1588  -  []  1.23 68.84 0 top
NOREF#1589  -  []  131.13 6.6 90 top
NOREF#1590  -  []  66.59 81.24 90 top
NOREF#1591  -  []  48.54 42.51 0 top
NOREF#1592  -  []  12.63 66.97 0 top
NOREF#1593  -  []  69.5 7.72 90 top
NOREF#1594  -  []  30.42 88.58 0 top
NOREF#1595  -  []  78.36 59.19 90 top
NOREF#1596  -  []  74.3 7.3 90 top
NOREF#1597  -  []  20.95 10.63 90 top
NOREF#1598  -  []  53.84 83.72 0 top
NOREF#1599  -  []  59.7 24.24 0 top
NOREF#1600  -  []  58.19 82.2 0 top
NOREF#1601  -  []  76.58 26.85 90 top
NOREF#1602  -  []  64.21 31.85 90 top
NOREF#1603  -  []  62.24 80.45 90 top
NOREF#1604  -  []  25.55 70 0 top
NOREF#1605  -  []  53.83 25.14 0 top
NOREF#1606  -  []  27.36 10.04 90 top
NOREF#1607  -  []  37.84 18.41 90 top
NOREF#1608  -  []  54.45 24.52 90 top
NOREF#1609  -  []  69.78 80.65 0 top
NOREF#1610  -  []  12.1 42.6 0 top
NOREF#1611  -  []  14.22 37.79 0 top
NOREF#1612  -  []  17.06 62.89 0 top
NOREF#1613  -  []  77.5 7.3 90 top
NOREF#1614  -  []  42.64 43.51 0 top
NOREF#1615  -  []  34.74 33.61 0 top
NOREF#1616  -  []  79.86 35.98 0 top
NOREF#1617  -  []  33.96 43.3 90 top
NOREF#1618  -  []  86.56 62.03 90 top
NOREF#1619  -  []  23.35 21.47 90 top
NOREF#1620  -  []  61.19 25.2 0 top
NOREF#1621  -  []  16.5 82.97 0 top
NOREF#1622  -  []  40.9 9.07 0 top
NOREF#1623  -  []  20.04 62.21 0 top
NOREF#1624  -  []  52.94 81.72 0 top
NOREF#1625  -  []  64.35 17.55 90 top
NOREF#1626  -  []  65.22 44.43 90 top
NOREF#1627  -  []  32.95 71.54 90 top
NOREF#1628  -  []  58.59 80.2 0 top
NOREF#1629  -  []  89.9 29.9 0 top
NOREF#1630  -  []  80.45 74.27 90 top
NOREF#1631  -  []  27.28 84.77 90 top
NOREF#1632  -  []  89.65 45.1 90 top
NOREF#1633  -  []  31.56 83.21 0 top
NOREF#1634  -  []  67.24 72.11 0 top
NOREF#1635  -  []  63.72 24.89 90 top
NOREF#1636  -  []  57.69 54.97 90 top
NOREF#1637  -  []  81.15 77.65 90 top
NOREF#1638  -  []  69.93 42.3 0 top
NOREF#1639  -  []  87.17 73.99 90 top
NOREF#1640  -  []  41.9 39.7 0 top
NOREF#1641  -  []  37.66 23.19 90 top
NOREF#1642  -  []  81.44 26.04 0 top
NOREF#1643  -  []  83.38 86.3 0 top
NOREF#1644  -  []  50.23 29.18 0 top
NOREF#1645  -  []  15.67 78.9 90 top
NOREF#1646  -  []  45.3 9.07 0 top
NOREF#1647  -  []  111.28 81.5 90 top
NOREF#1648  -  []  42.95 7.5 90 top
NOREF#1649  -  []  21.33 27.66 0 top
NOREF#1650  -  []  18.91 58.25 0 top
NOREF#1651  -  []  49.87 71.57 90 top
NOREF#1652  -  [unnamed#2]  83.93 86 0 top
NOREF#1653  -  []  21.44 59.61 0 top
NOREF#1654  -  []  27.67 10.63 90 top
NOREF#1655  -  []  49.64 28.87 0 top
NOREF#1656  -  []  24.22 58.82 0 top
NOREF#1657  -  []  73.16 30.59 0 top
NOREF#1658  -  []  22.4 43.21 90 top
NOREF#1659  -  []  75.07 61.44 90 top
NOREF#1660  -  []  69.78 80.65 0 top
NOREF#1661  -  []  1.68 64.89 90 top
NOREF#1662  -  []  14.83 55.79 0 top
NOREF#1663  -  []  66.82 35.23 0 top
NOREF#1664  -  []  51.12 23.24 0 top
NOREF#1665  -  []  45.09 68.64 0 top
NOREF#1666  -  []  90.39 37.12 0 top
NOREF#1667  -  []  17.63 86.8 0 top
NOREF#1668  -  []  22.73 22.09 0 top
NOREF#1669  -  []  70.97 80.65 0 top
NOREF#1670  -  []  67.12 24.83 90 top
NOREF#1671  -  []  77.74 59.81 0 top
NOREF#1672  -  []  79.2 10.12 90 top
NOREF#1673  -  []  50.87 72.32 90 top
NOREF#1674  -  []  23.44 30.91 0 top
NOREF#1675  -  []  66.81 26.04 0 top